# KiCad board berlin.kicad_pcb (continued)
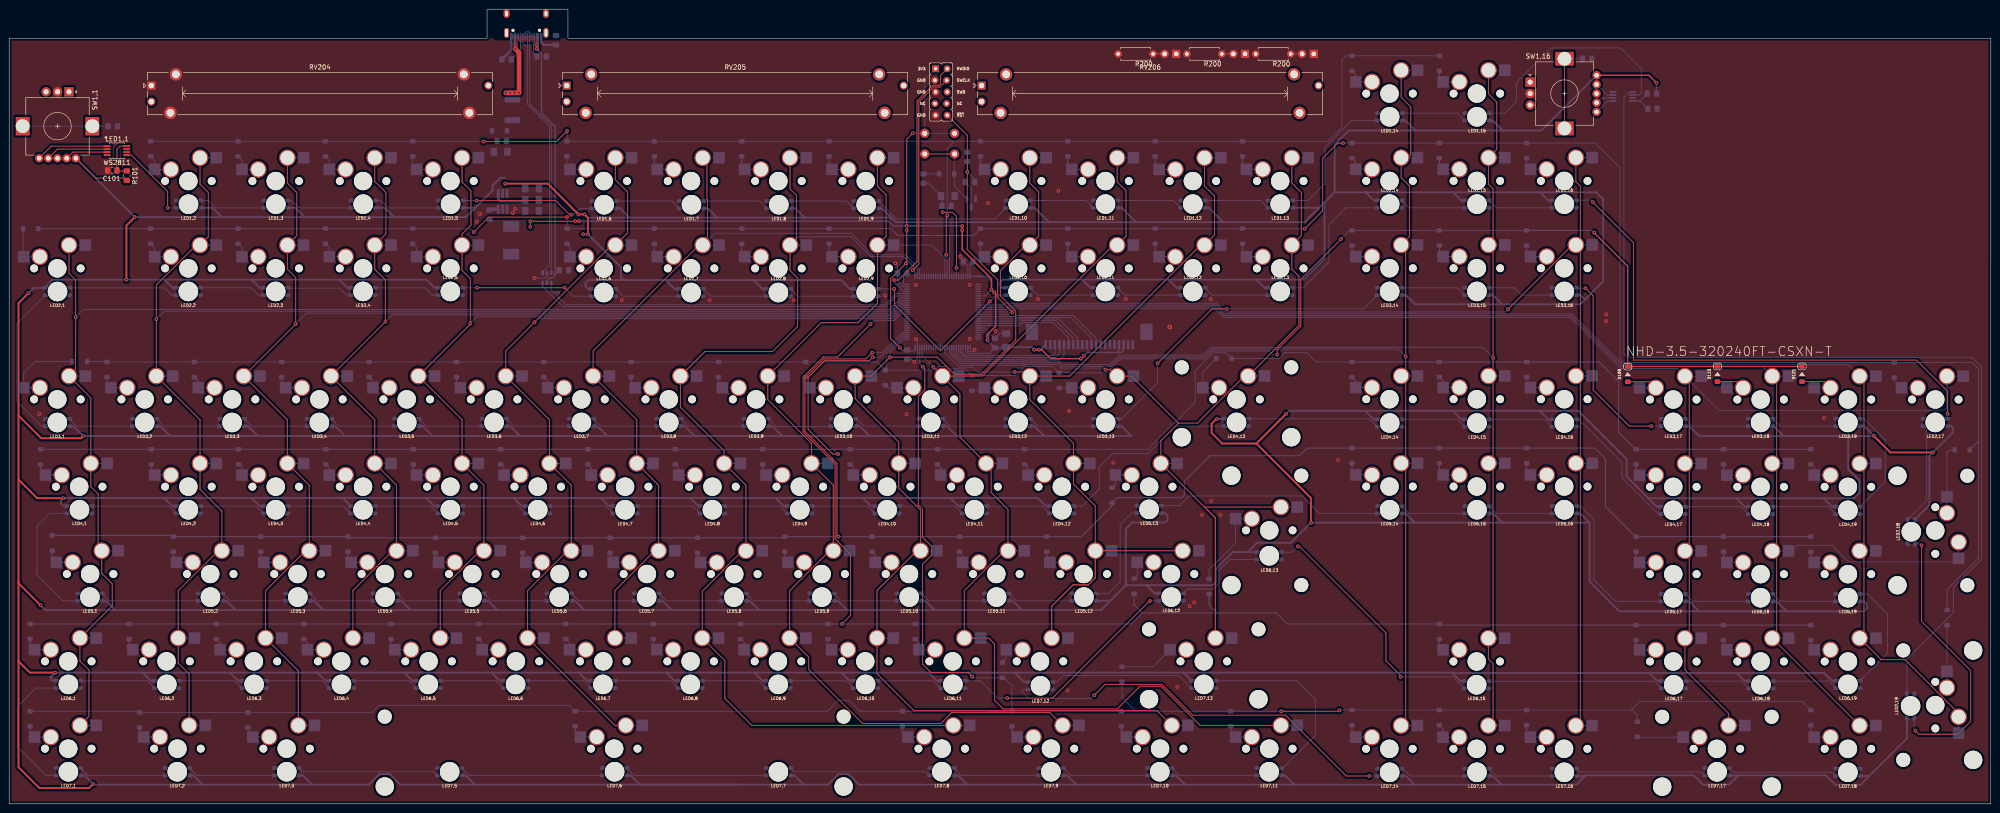
[diagram p0: board, top side]
## Routing (per net, layer and track width the routed paths; a pad name or vN(x,y) marks a point on that pad's centre or on a via; arc(x,y) is an arc through that point) (continued)
GND: length 51.8
  Top w0.2: 249.49,163.59 252,163.59 ; 279.49,163.59 282,163.59 ; 264.49,163.59 267,163.59
  Bottom w0.2: v1(114.55,114.68) 116.84,114.68 117.28,115.12 U701.2 ; v1(193.29,117.92) 193.74,117.47 C709.2 193.74,114.06 194.98,112.81 U501.74 ; U501.99 209.08,117.38 C710.2 208.14,118.63 v1(207.39,119.38) ; C708.2 196.89,96.97 v1(197.42,96.44) 198.08,97.11 U501.49 198.08,101.04 v1(197.71,101.42) ; U501.27 209.08,98.72 209.13,98.67 210.14,98.67 v1(210.57,99.09) ; C706.2 216.04,102.6 C707.2 212.72,103.81 U501.20
  Bottom w0.5: J201.B1 116.03,166.12 116.59,165.55 L702.2 ; J201.A1 109.53,164.45 R706.2
  vias: v1(6.62,85.06) v1(101.98,126.96) v1(102.67,128.65) v1(109.85,128.9) v1(110.37,129.79) v1(133.6,109.86) v1(152.77,109.85) v1(171.09,109.87) v1(191.06,110.88) v1(195.71,84.96) v1(197.71,113.21) v1(209.48,113.21) v1(209.48,101.42) v1(213.49,131.06) v1(215.14,103.12) v1(224.37,110.13) v1(228.85,133.73) v1(230.86,24.72) v1(231.14,85.72) v1(240.79,74.42) v1(243.53,110.14) v1(254.76,25.53) v1(257.47,43.09) v1(258.45,43.94) v1(260.16,63.05) v1(262.09,110.08) v1(262.16,66.05) v1(264.16,63.05) v1(289.81,75.06) v1(348.29,106.77) v1(348.29,105.32) v1(395.86,84.16) v2(253.11,104.01)
VBUS: length 73.5
  Top w1: v1(108.31,155.09) v1(109.27,155.09) v1(110.24,155.09) v1(111.2,155.09) 111.2,163.88 v1(110.41,164.67)
  Bottom w0.2: 110.33,165.66 v1(110.41,165.57) ; 115.21,165.68 115.2,165.68 ; U701.5 117.28,113.79
  Bottom w0.3: 119.08,115.58 119.08,115.27 118.53,114.72 117.89,114.72 117.28,114.11 117.28,113.79 ; 119.08,115.58 119.9,116.41 C714.1 ; 119.08,115.58 119.08,147.75 116.1,150.72 116.1,163.68 v1(115.11,164.68)
  Bottom w0.5: 115.21,165.68 115.21,165.68 115.23,165.69 J201.B4 ; J201.A4 110.33,165.66 ; v1(115.11,165.58) v1(115.11,164.68)
(no net): length 4142.9
  Top w0.2: v1(248.8,44.25) 248.73,44.25 227.54,23.06 217.68,23.06 v1(217.67,23.07) ; LED1,1.3 13.88,142.17 SW1,1.B ; SW201.2 SW201.2 ; LED1,1.1 9.18,143.47 SW1,1.R ; v1(303.48,27.7) 303.48,28.01 300.28,31.21 300.28,37.28 281.39,56.17 v1(281.06,56.17) ; v1(296.62,6.07) 291.62,6.07 278.36,19.34 258.09,19.34 251.37,26.05 239.02,26.05 v1(236.68,23.71) ; v1(250.47,96.09) 262.37,107.99 v1(265.57,107.99) ; v1(122.51,128.52) 122.24,128.52 119.17,131.59 v1(101.97,131.59) ; D109.2 357.79,92.08 359.12,90.74 ; v1(34.57,129.99) 34.57,133.59 26.64,141.52 LED1,1.5 ; LED1,1.2 10.53,142.82 SW1,1.G ; v1(121.14,112.61) 121.13,112.59 v1(102.07,112.59) ; 378.17,90.74 376.81,92.1 D115.2 ; v1(417.1,56.38) 417.1,39.79 427.8,29.09 427.8,17.99 425,15.19 416.52,15.19 v1(415.75,15.96) ; LED1,1.8 24.17,143.47 23.5,142.8 C101.1 23.62,138.06 R101.2 ; SW1,16.MP SW1,16.MP ; 397.22,90.74 395.86,92.1 D121.2 ; v1(213.87,109.59) 203.12,98.84 193.11,108.85 193.11,112.25 v1(193.02,112.34) ; v1(343.81,112.48) 345.47,110.82 345.47,90.29 353.37,82.39 v1(358.17,82.39) ; v1(345.43,131.24) 345.43,131.23 354.27,122.39 354.27,96.79 415.97,96.79 422.77,89.99 v1(422.77,85.09)
  Bottom w0.2: LED3,13.DOUT 242.56,83.98 250.47,91.89 v1(250.47,96.09) ; LED7,16.DOUT 342.56,6.93 369.1,6.93 369.85,6.19 ; LED3,10.DOUT 184.86,84 186.46,82.4 LED3,11.DIN ; 111.47,71.72 SW4,6.2 107.92,73.31 D37.2 ; 182.91,33.62 SW6,10.2 ; LED5,13.DOUT 255.22,65.04 257.35,67.17 281.96,67.17 285.78,63.35 LED5,14.DIN ; SW3,19.2 397.22,90.74 ; LED2,17.DOUT 422.72,85.04 v1(422.77,85.09) ; v1(303.48,27.7) 303.5,27.72 314.85,27.72 317.45,25.12 ; LED6,10.DIN 201.59,26.85 LED6,11.DOUT ; LED6,3.DOUT 49.19,26.85 LED6,2.DIN ; LED3,4.DOUT 71.88,82.4 LED3,5.DIN ; U501.30 207.58,98.77 208.56,97.79 227.72,97.79 228.06,98.13 J203.3/clk ; 92.42,138.4 SW1,5.2 88.01,139.26 88.01,141.22 ; LED5,2.DOUT 48.15,44.3 LED5,3.DIN ; LED7,1.DIN 8.06,6.2 1.87,12.39 1.87,21.29 5.83,25.25 LED6,1.DOUT ; LED7,18.DIN 397.57,6.89 376.03,6.89 LED7,17.DOUT ; LED2,18.DOUT 418.21,66.15 418.21,81.63 LED2,17.DIN ; LED6,9.DOUT 163.49,26.85 LED6,8.DIN ; SW3,11.2 191.65,90.77 D70.2 ; LED4,12.DOUT 225.34,64.95 LED4,11.DIN ; 79.71,112.57 90.74,112.57 92.35,110.95 93.46,110.95 ; LED6,7.DOUT 125.26,26.85 LED6,6.DIN ; LED1,12.DIN 253.91,131.62 LED1,11.DOUT ; LED6,11.DIN 211.77,26.85 215.55,23.07 v1(217.67,23.07) ; LED2,11.DOUT 224.3,110.97 LED2,10.DIN ; LED2,6.DOUT 123.01,110.74 v1(121.14,112.61) ; v1(102.07,112.59) 102.05,112.57 LED2,5.DIN ; U501.16 219.83,105.81 220.15,106.13 231.44,106.13 236.06,101.51 J203.11/spi2 ; LED4,6.DIN 130.09,64.95 LED4,7.DOUT ; LED3,14.DIN 295.45,107.99 v1(265.57,107.99) ; LED2,8.DOUT 152.96,110.74 LED2,7.DIN ; LED4,10.DIN 206.29,64.95 LED4,11.DOUT ; LED7,8.DIN 199.98,6.99 171.21,6.99 LED7,7.DOUT ; LED1,9.DOUT 193.46,127.59 214.98,127.59 LED1,10.DIN ; D46.2 122.21,35.15 SW6,7.2 125.76,33.62 ; v1(213.87,109.59) 215.25,110.97 LED2,10.DOUT ; 365.65,26.77 377.83,26.77 LED6,18.DOUT ; LED7,15.DIN 305.62,6.07 304.02,7.67 LED7,14.DOUT ; 249.59,52.67 SW6,12.2 246.03,49.81 D80.2 ; 92.42,71.72 SW4,5.2 ; 35.27,138.4 SW1,2.2 31.72,140.37 30.86,141.22 ; LED7,9.DOUT 229.86,7.8 231.46,6.2 LED7,10.DIN ; LED1,4.DIN 63.15,130.01 61.55,131.61 LED1,3.DOUT ; LED4,15.DOUT 315.89,83.87 LED4,14.DIN ; LED1,12.DOUT 272.96,131.62 LED1,13.DIN ; LED2,13.DOUT 262.4,110.97 LED2,12.DIN ; LED5,8.DIN 143.27,44.3 LED5,7.DOUT ; LED7,5.DIN 92.62,6.99 63.99,6.99 LED7,3.DOUT ; v1(122.51,128.52) 123.11,128.52 124.48,129.9 LED1,6.DIN ; 121,90.77 SW3,7.2 117.44,92.23 D43.2 ; J203.5/spi0 230.06,97.78 229.29,97.01 220.86,97.01 220.73,96.88 208.28,96.88 206.58,98.58 U501.32 ; LED4,14.DOUT 296.71,84 LED4,13.DIN ; 413.9,24.13 413.9,31.6 424.02,41.72 424.02,47.21 430.14,53.33 430.14,95.31 428.04,97.41 352.93,97.41 352.18,98.16 352.18,154.15 353.31,155.28 LED1,16.5 ; 229.03,90.77 SW3,13.2 235.3,90.77 ; J203.6/cs 231.06,101.66 227.7,105.01 221.16,105.01 220.46,104.32 U501.19 ; LED2,8.DIN 172.01,110.74 LED2,9.DOUT ; 201.96,33.62 SW6,11.2 198.41,35.15 D73.2 ; LED3,2.DOUT 33.8,82.38 LED3,3.DIN ; LED5,11.DIN 200.55,44.3 LED5,10.DOUT ; LED1,7.DIN 144.56,131.5 LED1,6.DOUT ; LED3,8.DIN 129.05,82.4 LED3,7.DOUT ; 297.24,138.43 SW2,14.2 293.69,140.02 D90.2 ; 44.8,90.77 SW3,3.2 41.24,92.23 D17.2 ; LED1,16.1 348.6,153.33 SW1,16.R ; LED6,19.DOUT 396.87,26.77 LED6,18.DIN ; LED2,4.DOUT 73.58,110.97 72.07,112.49 60.85,112.49 LED2,3.DIN ; 316.26,33.59 SW6,15.2 ; LED6,8.DOUT 144.31,26.85 LED6,7.DIN ; LED5,15.DOUT 324.37,63.35 LED5,16.DIN ; 73.37,138.4 SW1,4.2 69.82,140.37 68.96,141.22 ; D35.2 122.3,121.54 SW2,6.2 125.86,119.35 ; LED3,5.DOUT 90.95,82.4 LED3,6.DIN ; D27.2 65.06,35.15 SW6,4.2 68.61,33.62 ; LED7,3.DIN 40.91,6.2 LED7,2.DOUT ; v1(358.17,82.39) 360.28,82.39 LED3,17.DIN ; D34.2 121.67,139.03 SW1,6.2 125.86,138.4 ; LED1,15.DIN 315.89,150.67 LED1,14.DOUT ; LED5,1.DOUT 21.86,44.3 LED5,2.DIN ; LED5,1.DIN 11.66,44.3 6.07,49.89 6.07,60.59 8.83,63.35 LED4,1.DOUT ; LED7,12.DOUT 221.24,24.95 220.83,24.54 222.41,22.97 235.94,22.97 v1(236.68,23.71) ; D71.2 203.17,73.31 SW4,11.2 206.72,71.72 ; J203.12/spi3 237.06,101.54 232.06,106.54 219.87,106.54 219.64,106.31 U501.15 ; LED4,9.DIN 187.24,64.95 LED4,10.DOUT ; LED7,5.DOUT 100.3,6.2 LED7,6.DIN ; LED5,4.DOUT 86.25,44.3 LED5,5.DIN ; LED4,17.DIN 377.74,64.82 LED4,18.DOUT ; 335.34,138.43 SW2,16.2 ; 49.91,141.22 50.77,140.37 SW1,3.2 54.32,138.4 ; 97.19,52.67 SW5,5.2 ; D23.2 69.82,121.32 SW2,4.2 73.37,119.35 ; LED6,12.DOUT 248.85,44.3 v1(248.8,44.25) ; LED2,15.DIN 324.37,130.02 LED2,16.DOUT ; LED7,2.DIN 17.16,6.2 16.66,6.7 16.66,6.7 LED7,1.DOUT ; U501.17 219.93,105.32 220.41,105.79 228.9,105.79 233.06,101.63 J203.8/PD ; LED5,9.DOUT 181.5,44.3 LED5,10.DIN ; 322.77,26.72 358.83,26.72 LED6,17.DOUT ; SW201.2 206.12,141.69 D703.2 206.12,134.8 208.85,132.06 ; LED5,6.DOUT 124.22,44.3 LED5,7.DIN ; LED6,13.DIN 277.5,54.89 279.78,54.89 v1(281.06,56.17) ; LED7,10.DOUT 255.19,6.2 LED7,11.DIN ; LED4,17.DOUT 359.73,63.22 351.76,71.2 351.76,74.44 342.32,83.87 LED4,16.DIN ; LED5,4.DIN 67.2,44.3 66.7,44.8 66.7,44.8 LED5,3.DOUT ; 297.24,71.75 SW5,14.2 ; SW7,13.2 249.46,29.91 D88.2 ; LED3,1.DOUT 14.75,82.38 LED3,2.DIN ; LED5,16.DOUT 342.73,64.95 345.63,62.05 345.63,48.88 350.33,44.17 LED5,17.DIN ; LED6,6.DOUT 106.21,26.85 LED6,5.DIN ; 199.39,137.42 202.81,137.42 D703.1 ; 130.52,71.72 SW4,7.2 126.97,73.31 D44.2 ; LED3,10.DIN 179.2,82.29 167.25,82.29 LED3,9.DOUT ; LED5,6.DIN 105.17,44.3 LED5,5.DOUT ; LED4,15.DIN 334.94,83.87 LED4,16.DOUT ; LED1,16.2 347.25,153.98 SW1,16.G ; LED4,18.DIN 396.79,64.82 LED4,19.DOUT ; LED4,13.DOUT 254.38,82.4 248.3,76.33 248.24,76.39 240.63,76.39 237.74,73.51 237.74,68.71 233.99,64.95 LED4,12.DIN ; 209.8,130.06 209.8,134.36 R703.2 ; LED2,3.DOUT 54.38,110.97 52.77,112.59 41.74,112.59 LED2,2.DIN ; LED2,13.DIN 282.17,112.57 287.87,118.27 287.87,126.39 291.5,130.02 LED2,14.DOUT ; v1(345.43,131.24) 344.98,131.69 341.89,131.69 LED2,16.DIN ; LED7,11.DOUT 277.77,7.8 284.88,14.91 284.88,22.82 280.85,26.85 LED7,13.DIN ; J203.7/INT 232.06,101.63 228.28,105.41 220.8,105.41 220.2,104.81 U501.18 ; LED4,4.DOUT 72.94,64.95 LED4,3.DIN ; 244.82,71.72 SW5,13.2 241.27,69.69 D86.2 ; D52.2 140.46,35.05 141.26,34.26 SW6,8.2 144.81,33.62 ; 183.01,138.4 SW1,9.2 ; J203.4/spi1 229.06,98.27 228.18,97.39 208.47,97.39 207.08,98.77 U501.31 ; v1(343.81,112.48) 341.92,112.48 LED3,16.DOUT ; v1(417.1,56.38) 416.76,56.72 LED2,18.DIN ; LED1,2.DIN 34.59,130.01 v1(34.57,129.99) ; D40.2 123.44,15.72 124.59,14.57 128.14,14.57 ; LED5,17.DOUT 367.17,44.17 LED5,18.DIN ; SW1,16.B 348.52,154.63 LED1,16.3 ; LED4,5.DOUT 91.99,64.95 LED4,4.DIN ; LED1,5.DOUT 101.95,131.61 v1(101.97,131.59) ; D9.2 31.72,121.32 SW2,2.2 35.27,119.35 ; D64.2 184.12,73.31 SW4,10.2 187.67,71.72 ; v1(415.75,15.96) 415.5,16.21 415.5,18.64 ; LED5,11.DOUT 219.6,44.3 LED5,12.DIN ; D98.2 312.74,92.27 SW4,15.2 316.29,90.8 ; LED5,19.DIN 386.22,44.17 LED5,18.DOUT ; 163.86,33.62 SW6,9.2 160.31,35.15 D59.2 ; 378.17,90.74 SW3,18.2 ; LED7,8.DOUT 206.06,7.8 207.66,6.2 LED7,9.DIN ; 54.32,119.35 SW2,3.2 50.77,121.32 D16.2 ; LED3,1.DIN 7.05,82.38 1.67,87.77 1.67,104.73 LED2,1.DOUT ; LED4,6.DOUT 111.04,64.95 LED4,5.DIN ; LED4,7.DIN 149.14,64.95 LED4,8.DOUT ; 254.35,138.4 SW1,12.2 ; LED5,8.DOUT 162.32,44.3 LED5,9.DIN ; LED4,3.DOUT 53.89,64.95 LED4,2.DIN ; 54.32,71.72 SW4,3.2 50.77,73.69 50.42,74.04 D18.2 ; LED4,2.DOUT 34.84,64.95 LED4,1.DIN ; LED1,11.DIN 234.86,131.62 LED1,10.DOUT ; 422.62,25.34 SW2,19.2 422.62,38.96 D120.2 ; LED6,13.DOUT 266.23,53.32 263.84,50.92 263.84,48.06 262.64,46.86 257.06,46.86 LED6,12.DIN ; LED5,19.DOUT 405.28,45.77 409.67,41.39 409.67,32.85 LED6,19.DIN ; 101.95,90.77 SW3,6.2 ; 30.51,33.62 SW6,2.2 ; 297.24,157.48 SW1,14.2 293.69,159.07 D89.2 ; SW1,16.MP 343.12,162.54 L2.2 ; LED3,18.DOUT 386.22,82.4 LED3,19.DIN ; LED2,12.DOUT 243.35,110.97 LED2,11.DIN ; LED7,7.DIN 136.29,6.19 LED7,6.DOUT ; 216.66,31.11 217.46,31.91 SW7,12.2 221.01,33.62 ; SW3,12.2 212.07,90.15 D77.2 ; LED4,9.DOUT 168.19,64.95 LED4,8.DIN ; LED7,15.DOUT 324.37,6.07 LED7,16.DIN ; LED1,3.DIN 45.05,130.01 44.55,130.51 44.55,130.51 43.45,131.61 LED1,2.DOUT ; 271.02,62.2 SW6,13.2 267.46,56.86 261.71,51.1 261.71,49.06 ; LED3,6.DOUT 110,82.4 LED3,7.DIN ; D20.2 46.01,35.15 SW6,3.2 49.56,33.62 ; 263.29,97.16 260.32,94.19 SW4,13.2 263.87,90.77 ; LED6,4.DOUT 68.24,26.85 LED6,3.DIN ; D124.2 392.94,34.8 393.67,34.07 SW6,19.2 397.22,33.59 ; LED3,13.DIN 224.31,82.38 LED3,12.DOUT ; D122.2 393.67,73.31 SW4,19.2 397.22,71.69 ; LED3,19.DOUT 404.57,84 409.17,79.4 409.17,70.32 LED4,19.DIN ; D108.2 411.12,92.34 SW2,17.2 416.27,90.74 ; LED6,4.DIN 87.16,26.85 LED6,5.DOUT ; 92.42,119.35 88.87,119.35 88.87,121.32 D29.2 ; SW1,1.MP SW1,1.MP 21.58,147.83 L1.2 ; LED3,11.DOUT 205.25,82.4 LED3,12.DIN ; LED1,15.DOUT 326.25,150.67 328.77,153.19 328.77,157.39 336.27,164.89 351.47,164.89 355.97,160.39 355.97,155.09 355.51,154.63 LED1,16.6 ; LED3,8.DOUT 148.1,82.4 LED3,9.DIN ; D114.2 423.16,77.22 422.62,76.68 SW2,18.2 422.62,63.44 ; 368.65,14.54 SW7,17.2 355.16,14.54 D113.2 ; 6.7,119.35 SW2,1.2 3.05,119.44 D2.2 ; LED2,6.DIN 133.91,110.74 LED2,7.DOUT ; D25.2 69.82,73.31 SW4,4.2 73.37,71.72 ; LED1,9.DIN 182.66,131.5 LED1,8.DOUT ; D50.2 146.02,73.31 SW4,8.2 149.57,71.72 ; LED3,14.DOUT 315.89,112.57 LED3,15.DIN ; 378.17,71.69 SW4,18.2 ; LED6,10.DOUT 182.54,26.85 LED6,9.DIN ; LED5,14.DOUT 305.32,63.35 LED5,15.DIN ; 297.24,90.8 SW4,14.2 293.69,92.27 D92.2 ; 316.26,14.54 SW7,15.2 312.71,16.35 D101.2 ; 159.1,90.77 SW3,9.2 ; LED5,13.DIN 244.82,63.44 242.3,60.92 242.3,48.46 239.74,45.9 LED5,12.DOUT ; v1(193.02,112.34) LED2,9.DIN ; LED2,2.DOUT 35.51,110.97 33.93,112.56 LED2,1.DIN ; D65.2 188.88,54.33 SW5,10.2 192.44,52.67 ; LED2,14.DIN 305.32,130.02 LED2,15.DOUT ; LED7,14.DIN v1(296.62,6.07) ; LED1,4.DOUT 81.05,131.61 82.67,129.99 93.6,129.99 LED1,5.DIN ; SW2,11.2 235.3,119.35 ; R102.2 355.63,153.33 LED1,16.8 355.68,153.33 C102.1 ; 3.17,90.59 3.17,93.97 5.68,96.49 D3.2 ; LED1,7.DOUT 163.61,131.5 LED1,8.DIN ; 11.46,71.72 SW4,1.2 ; 163.96,138.4 SW1,8.2 ; 106.71,33.62 SW6,6.2 103.16,35.15 D39.2 ; 82.9,90.77 SW3,5.2 79.34,92.23 D30.2 ; LED3,17.DOUT 367.17,82.4 LED3,18.DIN ; LED6,1.DIN 30.14,26.85 LED6,2.DOUT ; D78.2 222.22,73.31 SW4,12.2 225.77,71.72 ; LED3,15.DOUT 328.25,112.57 329.85,110.97 LED3,16.DIN ; LED7,13.DOUT 257.79,25.25 255.05,27.99 229.9,27.99 228.46,26.55 LED7,12.DIN ; 211.49,52.67 SW5,11.2 207.93,54.33 D72.2 ; 9.08,33.62 SW6,1.2 ; 397.22,52.64 SW5,19.2 ; 173.39,52.67 SW5,9.2 ; LED3,3.DOUT 52.85,82.38 LED3,4.DIN ; LED1,13.DOUT 283.3,131.62 286.97,135.29 286.97,143.19 292.85,149.07 LED1,14.DIN ; 335.34,90.8 SW4,16.2
  Bottom w0.25: D14.2 28.45,15.46 SW7,2.2 32.89,14.57 ; SW5,19.2 392.94,53.37 D123.2 ; D60.2 218.69,15.72 SW7,9.2 223.39,14.57 ; 87.66,33.62 SW6,5.2 83.31,34.42 D33.2 ; 397.22,14.54 SW7,18.2 392.94,15.27 D119.2 ; SW4,18.2 373.89,72.42 D116.2 ; 35.27,71.72 SW4,2.2 30.99,72.45 D11.2 ; 316.29,71.75 SW5,15.2 311.91,72.58 D99.2 ; D94.2 292.86,15.34 SW7,14.2 297.21,14.54 ; 297.24,119.38 SW3,14.2 292.86,120.21 D91.2 ; D10.2 21.34,91.63 SW3,2.2 25.75,90.77 ; 247.21,14.57 SW7,10.2 242.57,15.65 D67.2 ; 183.01,119.35 SW2,9.2 178.82,119.98 D55.2 ; D62.2 211.84,120.21 SW2,10.2 216.25,119.35 ; 116.24,52.67 SW5,6.2 112.01,53.34 D38.2 ; 154.34,52.67 150.78,52.67 150.11,53.34 D51.2 ; SW2,16.2 330.96,139.26 D103.2 ; 144.91,138.4 SW1,7.2 140.72,139.03 140.72,141.22 ; 359.12,33.59 SW6,17.2 354.84,34.32 D112.2 ; D97.2 311.91,120.21 SW3,15.2 316.29,119.38 ; D7.2 4.57,15.53 SW7,1.2 9.08,14.57 ; D48.2 159.77,119.98 SW2,8.2 163.96,119.35 ; D69.2 230.89,120.21 SW2,11.2 ; D106.2 330.96,72.58 SW5,16.2 335.34,71.75 ; D110.2 354.84,72.42 SW4,17.2 359.12,71.69 ; 235.3,138.4 SW1,11.2 230.89,139.26 230.89,141.22 ; D5.2 9.4,53.56 SW5,1.2 13.84,52.67 ; SW1,12.2 249.94,139.26 249.94,141.22 ; 40.04,52.67 SW5,2.2 35.81,53.34 D12.2 ; D105.2 330.96,91.63 SW4,16.2 ; 230.54,52.67 SW5,12.2 226.31,53.34 D79.2 ; SW1,9.2 178.82,139.03 178.82,141.22 ; D66.2 178.56,34.42 SW6,10.2 ; SW3,6.2 97.54,91.63 D36.2 ; D83.2 268.99,120.21 SW2,13.2 273.4,119.35 ; SW1,8.2 159.77,139.03 159.77,141.22 ; D95.2 311.91,158.31 SW1,15.2 316.29,157.48 ; D93.2 292.86,72.58 SW5,14.2 ; 199.58,14.57 SW7,8.2 194.82,15.78 D53.2 ; D42.2 140.72,119.98 SW2,7.2 144.91,119.35 ; D76.2 249.94,120.21 SW2,12.2 254.35,119.35 ; SW5,5.2 92.96,53.34 D32.2 ; D107.2 330.96,15.34 SW7,16.2 335.31,14.54 ; D21.2 52.07,15.65 SW7,3.2 56.71,14.57 ; 3.17,90.59 3.14,90.61 SW3,1.2 6.7,90.77 ; D57.2 164.34,72.45 SW4,9.2 168.62,71.72 ; 211.84,141.22 211.84,139.26 SW1,10.2 216.25,138.4 ; 359.12,52.64 SW5,17.2 354.84,53.37 D111.2 ; SW6,15.2 311.91,34.39 D100.2 ; SW4,5.2 88.14,72.45 D31.2 ; SW3,12.2 216.25,90.77 ; SW6,2.2 26.16,34.42 D13.2 ; D74.2 266.45,15.59 SW7,11.2 271.02,14.57 ; 316.29,138.43 SW2,15.2 311.91,139.26 D96.2 ; D104.2 330.96,120.21 SW3,16.2 335.34,119.38 ; D118.2 373.89,34.32 SW6,18.2 378.17,33.59 ; 63.85,90.77 SW3,4.2 59.44,91.63 D24.2 ; D56.2 154.69,91.63 SW3,9.2 ; D58.2 169.16,53.34 SW5,9.2 ; SW3,11.2 197.2,90.77 ; D4.2 6.86,72.77 SW4,1.2 ; 78.14,52.67 SW5,4.2 73.91,53.34 D26.2 ; SW6,1.2 4.57,34.58 D6.2 ; 268.99,141.22 268.99,139.26 SW1,13.2 273.4,138.4 ; D117.2 373.89,53.37 SW5,18.2 378.17,52.64 ; 135.29,52.67 SW5,7.2 131.06,53.34 D45.2 ; 178.15,90.77 SW3,10.2 173.74,91.63 D63.2 ; 59.09,52.67 SW5,3.2 54.86,53.34 D19.2 ; D49.2 135.64,91.63 SW3,8.2 140.05,90.77 ; SW3,17.2 359.12,90.74
BOOT0: length 25.2
  Top w0.2: v1(206.61,116.89) 206.61,128.17 205.74,129.03 v1(203.58,129.03)
  Bottom w0.2: v1(203.58,129.03) 203.49,129.12 203.49,132.33 200.45,135.37 R711.1 ; U501.94 206.58,116.86 v1(206.61,116.89)
BST: length 2
  Bottom w0.6: 104.77,129.4 105.09,129.71
  Bottom w0.7: 105.09,129.71 U702.6
CC1: length 6.4
  Bottom w0.2: J201.A5 111.53,164.4 R706.1
CC2: length 5.3
  Bottom w0.2: R705.2 114.36,163.76 114.36,165.83 114.53,166 J201.B5
Col1: length 318.8
  Top w0.2: 15.43,17.11 17.4,19.08 17.4,29.21 15.43,31.18 15.43,36.16 22.48,43.21 22.48,48.01 20.19,50.29 20.19,55.21 19.4,56.01 19.4,67.59 17.81,69.18 17.81,88.55 13.05,93.31 14.48,94.74 v1(14.5,106.18) 14.48,114.3 13.05,115.73 13.05,121.89
  Bottom w0.2: SW6,1.1 15.43,36.16 ; v1(14.5,106.18) 16.17,107.85 191.99,107.85 194.46,110.31 U501.69 ; 20.19,55.21 SW5,1.1 ; 13.05,93.31 SW3,1.1 ; 15.43,17.11 SW7,1.1 ; SW4,1.1 17.81,74.26 ; 13.05,121.89 SW2,1.1
Col2: length 331.4
  Top w0.2: 41.62,140.94 41.62,135.16 43.43,133.35 43.43,123.7 41.62,121.89 40.79,121.89 32.1,113.2 v1(32.1,105.72) 32.1,93.31 41.62,83.79 41.62,68.61 46.39,63.85 46.39,55.21 45.59,55.21 36.86,46.48 36.86,30.7 39.24,28.32 39.24,17.11
  Bottom w0.2: 41.62,140.94 SW1,2.1 ; 36.86,36.16 SW6,2.1 ; 39.24,17.11 SW7,2.1 ; 32.1,93.31 SW3,2.1 ; 41.62,74.26 SW4,2.1 ; v1(32.1,105.72) 33.82,107.45 192.16,107.45 194.52,109.81 U501.68 ; 46.39,55.21 SW5,2.1 ; 41.62,121.89 SW2,2.1
Col3: length 304.4
  Top w0.2: 60.67,140.94 60.67,135.41 62.74,133.35 62.74,123.95 60.67,121.89 60.67,116.62 62.48,114.81 v1(62.48,104.69) 62.48,104.65 51.15,93.31 60.67,83.79 60.67,74.26 65.44,69.5 65.44,55.21 64.64,55.21 55.91,46.49 55.91,36.16 63.06,29.02 63.06,17.11
  Bottom w0.2: SW6,3.1 55.91,36.16 ; 60.67,121.89 SW2,3.1 ; SW5,3.1 65.44,55.21 ; U501.67 194.59,109.32 192.32,107.05 64.84,107.05 v1(62.48,104.69) ; 60.67,140.94 SW1,3.1 ; SW3,3.1 51.15,93.31 ; 63.06,17.11 SW7,3.1 ; SW4,3.1 60.67,74.26
Col4: length 259.7
  Top w0.2: 74.96,36.16 74.96,46.52 78.07,49.63 78.07,49.65 79,50.57 79.01,50.57 80.24,51.8 80.24,51.81 83.64,55.21 84.49,55.21 84.49,69.5 79.72,74.26 79.72,83.79 70.2,93.31 82.04,105.16 82.04,105.17 v1(82.07,105.19) 82.04,105.21 82.04,114.3 79.72,116.62 79.72,121.89 82.17,124.33 82.17,133.35 79.72,135.79 79.72,140.94
  Bottom w0.2: SW6,4.1 74.96,36.16 ; SW4,4.1 79.72,74.26 ; 84.49,55.21 SW5,4.1 ; 79.72,121.89 SW2,4.1 ; 70.2,93.31 SW3,4.1 ; 79.72,140.94 SW1,4.1 ; U501.66 194.65,108.81 192.49,106.65 83.53,106.65 v1(82.07,105.19)
Col5: length 240.3
  Top w0.2: 98.77,140.94 98.77,135.67 100.71,133.73 100.71,126.24 98.77,124.3 98.77,116.36 100.58,114.55 v1(100.58,104.79) 100.58,104.65 89.25,93.31 98.77,83.79 98.77,74.26 103.54,69.5 103.54,55.21 102.59,55.21 102.59,55.1 94.01,46.52 94.01,36.16
  Bottom w0.2: 103.54,55.21 SW5,5.1 ; SW4,5.1 98.77,74.26 ; SW3,5.1 89.25,93.31 ; U501.65 194.72,108.32 192.65,106.25 102.04,106.25 v1(100.58,104.79) ; 94.01,36.16 SW6,5.1 ; 98.77,121.89 102.33,121.89 ; 98.77,140.94 SW1,5.1
Col6: length 264.4
  Top w0.2: 134.49,17.11 132.11,17.11 113.06,36.16 113.06,46.52 121.69,55.15 121.69,55.21 122.59,55.21 122.59,69.5 117.82,74.26 117.82,83.79 108.3,93.31 108.3,98.77 v1(114.58,105.05) 131.41,121.89 132.21,121.89 134.87,124.56 134.87,133.48 132.21,136.14 132.21,140.94
  Bottom w0.2: 122.59,55.21 SW5,6.1 ; 132.21,140.94 SW1,6.1 ; v1(114.58,105.05) 115.38,105.85 192.85,105.85 194.82,107.81 U501.64 ; SW3,6.1 108.3,93.31 ; SW4,6.1 117.82,74.26 ; 132.21,121.89 SW2,6.1 ; SW6,6.1 113.06,36.16 ; 134.49,17.11 SW7,6.1
Col7: length 200.9
  Top w0.2: 151.26,140.94 152.19,140.01 152.19,131.91 152.3,131.8 152.3,122.93 151.26,121.89 150.46,121.89 127.35,98.77 127.35,93.31 136.87,83.79 136.87,74.26 141.35,69.79 141.35,69.72 141.64,69.44 141.64,55.21 140.81,55.21 132.11,46.51 132.11,36.16
  Bottom w0.2: SW6,7.1 132.11,36.16 ; U501.78 198.58,116.63 195.42,119.79 190.23,119.79 190.23,119.79 188.31,119.79 183.64,124.46 153.83,124.46 151.26,121.89 SW2,7.1 ; 151.26,140.94 SW1,7.1 ; SW4,7.1 136.87,74.26 ; SW5,7.1 141.64,55.21 ; SW3,7.1 127.35,93.31
Col8: length 261.4
  Top w0.2: 205.93,17.11 161.96,17.11 156.08,22.99 156.08,31.24 151.16,36.16 151.16,46.39 155.79,51.02 155.79,51.09 159.92,55.21 160.69,55.21 160.69,69.5 155.92,74.26 155.92,76.99 146.4,86.52 146.4,93.31 151.76,98.68 166.5,98.68 171.96,104.14 171.96,114.68 170.31,116.33 170.31,121.89 171.7,123.29 171.7,132.75 170.31,134.15 170.31,140.94
  Bottom w0.2: 146.4,93.31 SW3,8.1 ; 170.31,140.94 SW1,8.1 ; SW7,8.1 205.93,17.11 ; SW6,8.1 151.16,36.16 ; SW2,8.1 170.31,121.89 172.12,123.7 183.64,123.7 187.95,119.39 190.39,119.39 190.39,119.39 195.06,119.39 198.08,116.37 U501.77 ; SW4,8.1 155.92,74.26 ; 164.24,55.21 160.69,55.21
Col9: length 243.6
  Top w0.2: 189.36,140.94 189.36,134.75 191.26,132.84 191.26,123.79 189.36,121.89 189.39,121.85 189.39,109.22 185.13,104.95 177.09,104.95 165.45,93.31 165.45,88.17 174.97,78.64 174.97,74.26 174.99,74.26 179.74,69.51 179.74,55.21 178.94,55.21 170.21,46.49 170.21,36.16 174.37,32 174.37,29.29 186.15,17.51 203.19,17.51 205.6,19.92 226.94,19.92 229.74,17.11
  Bottom w0.2: SW3,9.1 165.45,93.31 ; 174.97,74.26 SW4,9.1 ; SW6,9.1 170.21,36.16 ; 229.74,17.11 SW7,9.1 ; SW5,9.1 179.74,55.21 ; 189.36,121.89 SW2,9.1 201.27,121.89 204.08,119.08 U501.89 ; 189.36,140.94 SW1,9.1
Col10: length 262.4
  Top w0.2: 253.56,17.11 250.35,20.32 197.36,20.32 189.26,28.42 189.26,46.52 197.94,55.2 197.94,55.21 198.79,55.21 198.79,64.1 194.02,68.87 194.02,78.9 184.5,88.42 184.5,93.31 187.98,93.31 192.05,97.38 v1(192.09,97.38) 192.15,97.45 202.41,97.45 206.14,93.72 212.08,93.72 219.53,101.17 219.53,107.5 216.18,110.84 216.18,116.31 221.76,121.89 222.6,121.89 224.54,123.82 224.54,133.48 222.6,135.41 222.6,140.94
  Bottom w0.2: 253.56,17.11 SW7,10.1 ; U501.51 195,101.31 192.09,98.4 v1(192.09,97.38) ; 222.6,121.89 SW2,10.1 ; SW5,10.1 198.79,55.21 ; SW4,10.1 194.02,74.26 ; 184.5,93.31 SW3,10.1 ; 222.6,140.94 SW1,10.1 ; SW6,10.1 189.26,36.16
Col11: length 259.3
  Top w0.2: 203.55,93.31 203.56,93.32 212.24,93.32 240.81,121.89 241.65,121.89 243.59,123.82 243.59,133.73 241.65,135.67 241.65,140.94 ; 203.55,93.31 201.57,95.3 v1(201.57,95.31) ; 203.55,93.31 203.55,93.25 207.37,89.43 207.37,79.97 214.17,73.17 214.17,67.9 217.84,64.23 217.84,55.21 217.02,55.21 208.31,46.51 208.31,36.16 213.63,36.16 214.92,34.88 214.92,22.57 216.77,20.72 241.7,20.72 246.63,25.65 251.21,25.65 259.75,17.11 277.37,17.11
  Bottom w0.2: 277.37,17.11 SW7,11.1 ; 203.55,93.31 SW3,11.1 ; 241.65,121.89 SW2,11.1 ; SW6,11.1 208.31,36.16 ; 241.65,140.94 SW1,11.1 ; SW4,11.1 213.07,74.26 ; SW5,11.1 217.84,55.21 ; U501.47 199.08,97.8 v1(201.57,95.31)
Col12: length 202.1
  Top w0.2: 222.6,93.31 222.6,88.17 232.12,78.64 232.12,69.75 236.89,64.99 236.89,55.21 255.94,55.21 ; 222.6,93.31 231.29,93.31 259.56,121.59 259.56,121.89 260.7,121.89 262.89,124.08 262.89,132.59 260.7,134.78 260.7,140.94 ; 222.6,93.31 221.72,94.2 219.29,94.2 v1(219.28,94.21)
  Top w0.25: 227.36,36.16 227.36,43.09 232.04,47.76 235.33,47.76 236.89,49.32 236.89,55.21
  Bottom w0.2: 222.6,93.31 SW3,12.1 ; 232.12,74.26 SW4,12.1 ; 260.7,140.94 SW1,12.1 ; 236.89,55.21 SW5,12.1 ; v1(219.28,94.21) 211.25,94.21 210.18,95.28 207.15,95.28 204.08,98.36 U501.37 ; 260.7,121.89 SW2,12.1 ; 255.94,55.21 SW6,12.1
Col13: length 223.1
  Top w0.2: 279.75,140.94 279.75,135.41 281.81,133.35 281.81,123.95 279.75,121.89 279.75,116.62 281.31,115.06 281.31,104.39 270.22,93.31 269.39,93.31 259.13,83.06 255.02,83.06 ; 255.02,83.06 244.76,93.31 241.65,93.31 240.23,94.73 v1(239.09,94.73) ; 255.02,83.06 251.17,79.22 251.17,74.26 260.7,64.74 277.37,64.74
  Top w0.25: 263.08,36.16 263.08,62.36 260.7,64.74
  Bottom w0.2: SW3,13.1 241.65,93.31 ; 279.75,140.94 SW1,13.1 ; 277.37,64.74 SW6,13.1 ; 279.75,121.89 SW2,13.1 ; 270.22,93.31 SW4,13.1 ; 251.17,74.26 SW5,13.1 ; v1(239.09,94.73) 238.77,95.05 229.39,95.05 228.63,95.81 221.36,95.81 221.23,95.68 207.67,95.68 205.08,98.27 U501.35
Col14: length 274.6
  Top w0.2: 303.56,17.08 304.58,18.1 304.58,73.31 303.59,74.29 304.58,75.28 304.58,92.36 303.59,93.34 304.58,94.33 304.58,97.58 v1(304.57,97.59) 304.58,97.6 304.58,120.93 303.59,121.92 305.39,123.72 305.39,134.79 303.59,136.59 303.59,140.97 305.05,140.97 305.69,141.6 305.69,152.02 303.59,154.11 303.59,160.02
  Bottom w0.2: 303.56,17.08 SW7,14.1 ; U501.34 205.58,98.34 207.84,96.08 221.06,96.08 221.19,96.21 228.8,96.21 229.56,95.45 240.26,95.45 242.3,97.5 260.54,97.5 262.24,99.19 302.97,99.19 v1(304.57,97.59) ; 303.59,121.92 SW3,14.1 ; SW4,14.1 303.59,93.34 ; SW1,14.1 303.59,160.02 ; 307.15,74.29 303.59,74.29 ; 307.24,140.89 303.69,140.89
Col15: length 293.1
  Top w0.2: 322.61,17.08 323.63,18.1 323.63,30.57 322.61,31.59 322.61,36.13 323.63,37.15 323.63,73.31 ; 322.64,160.02 322.64,154.88 324.44,153.08 324.44,142.77 322.64,140.97 322.64,135.19 323.63,134.21 323.63,122.91 322.64,121.92 323.63,120.93 323.63,97.33 v1(323.67,97.29) 323.63,97.25 323.63,94.33 322.64,93.34 323.63,92.36 323.63,75.28
  Bottom w0.2: 322.64,140.97 SW2,15.1 ; SW4,15.1 322.64,93.34 ; v1(323.67,97.29) 321.37,99.59 262.07,99.59 260.38,97.89 242.13,97.89 240.09,95.85 229.72,95.85 228.96,96.61 221.03,96.61 220.9,96.48 208,96.48 206.08,98.4 U501.33 ; 322.61,36.13 SW6,15.1 ; 322.64,74.29 326.2,74.29 ; SW7,15.1 322.61,17.08 ; 322.64,160.02 SW1,15.1 ; 322.64,121.92 SW3,15.1
Col16: length 283.1
  Top w0.2: 341.69,121.92 342.68,120.93 342.68,94.33 341.69,93.34 342.68,92.36 342.68,75.28 341.69,74.29 342.68,73.31 342.68,18.1 341.66,17.08 ; 341.69,121.92 340.91,121.92 v1(326.86,107.87) ; 341.69,121.92 342.68,122.91 342.68,134.71 341.69,135.7 341.69,140.97
  Bottom w0.2: U501.10 216.72,108.81 217.1,109.19 263.38,109.19 265.28,107.29 326.28,107.29 v1(326.86,107.87) ; SW3,16.1 340.91,121.92 ; 341.69,74.29 345.25,74.29 ; 341.66,17.08 SW7,16.1 ; SW4,16.1 341.69,93.34 ; 341.69,140.97 SW2,16.1
Col17: length 331.7
  Top w0.2: 365.47,93.28 366.43,92.33 366.43,75.19 365.47,74.23 366.43,73.28 366.43,56.14 365.47,55.18 366.43,54.23 366.43,37.09 365.47,36.13 365.47,29.24 375,19.72 375,17.08
  Bottom w0.2: U501.13 217.69,107.31 218.37,107.99 262.88,107.99 264.78,106.09 340.41,106.09 351.55,94.95 363.81,94.95 365.47,93.28 ; 365.47,55.18 SW5,17.1 ; SW2,17.1 422.62,93.28 422.62,86.4 422.06,85.84 372.92,85.84 365.47,93.28 ; 365.47,93.28 SW3,17.1 ; SW7,17.1 375,17.08 ; 365.47,74.23 SW4,17.1 ; 365.47,36.13 SW6,17.1
Col18: length 326.9
  Top w0.2: 403.57,17.08 384.52,36.13 385.48,37.09 385.48,54.23 384.52,55.18 385.48,56.14 385.48,73.28 384.52,74.23 385.48,75.19 385.48,92.33 384.52,93.28
  Bottom w0.2: 384.52,55.18 SW5,18.1 388.76,55.18 389.97,56.39 397.57,56.39 401.17,52.79 424.42,52.79 SW2,18.1 425.16,57.09 ; 403.57,17.08 SW7,18.1 ; 384.52,74.23 SW4,18.1 ; 384.52,36.13 SW6,18.1 ; U501.12 217.63,107.82 218.2,108.39 263.05,108.39 264.95,106.49 340.57,106.49 351.68,95.38 382.42,95.38 384.52,93.28 SW3,18.1
Col19: length 305.3
  Top w0.2: 425.16,18.99 425.16,19.77 413.47,31.46 408.3,31.46 404.97,34.79 404.92,34.79 403.57,36.13 404.53,37.09 404.53,54.23 403.57,55.18 404.53,56.14 404.53,73.28 403.57,74.23 404.53,75.19 404.53,92.33 403.57,93.28
  Bottom w0.2: SW4,19.1 403.57,74.23 ; SW3,19.1 403.57,93.28 401.08,95.78 351.89,95.78 340.78,106.89 265.11,106.89 263.21,108.79 218.04,108.79 217.56,108.32 U501.11 ; 403.57,55.18 SW5,19.1 ; 425.16,18.99 SW2,19.1 ; SW6,19.1 403.57,36.13
D+: length 83
  Bottom w0.2: U501.71 193.45,111.31 191.02,108.88 121.4,108.88 119.69,110.59 arc(119.6,110.8) 119.69,111.01 119.97,111.29 arc(120.06,111.51) 119.97,111.72 arc(119.76,111.81) 119.55,111.72 119.27,111.43 119.27,111.44 arc(119.05,111.35) 118.84,111.43 118.23,112.04 U701.4
D-: length 83
  Bottom w0.2: U701.6 116.33,112.89 120.75,108.48 191.18,108.48 193.52,110.82 U501.70
Dbus+: length 55.7
  Bottom w0.2: U701.3 118.23,147.96 113.53,152.67 J201.B6 113.53,168.17 113.26,168.44 112.79,168.44 112.52,168.17 J201.A6
Dbus-: length 58.1
  Bottom w0.2: U701.1 116.33,116.03 116.96,116.65 116.96,116.65 117.83,117.53 117.83,147.79 113.03,152.6 113.03,165.04 112.03,166.04 J201.B7 ; J201.A7 113.03,165.04
NRST: length 61.6
  Top w0.2: v1(218.79,107.25) 215.61,110.43 215.61,114.29 208.97,120.93 v1(208.97,137.85) 208.97,145.83 J202.10
  Bottom w0.2: R703.1 210.57,136.24 v1(208.97,137.85) 208.97,140.07 C711.1 ; U501.14 217.86,106.82 218.3,107.25 v1(218.79,107.25)
Row1: length 330.8
  Top w0.2: v1(103.47,144.49) 119.37,144.49 v1(121.67,146.79) ; v1(204.58,128.33) 204.38,128.13 v1(204.38,119.78)
  Bottom w0.2: D8.1 D15.1 D22.1 D28.1 103.43,144.52 v1(103.47,144.49) ; v1(204.58,128.33) 204.58,142.99 206.12,144.52 ; v1(204.38,119.78) 204.58,119.58 U501.90 ; v1(121.67,146.79) D34.1 140.7,144.54 D41.1 D47.1 D54.1 206.12,144.52 ; 206.12,144.52 D61.1 D68.1 D75.1 D82.1 287.6,144.52 290.67,147.59 290.67,162.19 291.67,163.19 D89.1 D95.1
Row2: length 555
  Top w0.2: v1(101.35,124.71) 104.62,127.99 v1(121.67,127.99) ; v1(282.57,125.47) 286.46,129.36 286.46,140.84 289.74,144.12 v1(290.93,144.12)
  Bottom w0.2: 429.51,79.12 429.51,94.91 428.14,96.29 351.95,96.29 351.33,96.91 351.33,138.74 345.92,144.14 D103.1 D96.1 D90.1 290.96,144.14 v1(290.93,144.12) ; 429.51,79.12 429.51,53.59 422.66,46.74 D120.1 ; 429.51,79.12 D114.1 ; v1(121.67,127.99) D35.1 D42.1 D48.1 D55.1 178.83,125.49 192.27,125.49 193.77,123.99 205.08,123.99 ; D2.1 30.86,125.48 D9.1 D16.1 D23.1 D29.1 100.58,125.47 v1(101.35,124.71) ; 205.08,123.99 205.08,123.98 U501.91 ; 205.08,123.99 210.35,123.99 D62.1 D69.1 D76.1 D83.1 v1(282.57,125.47)
Row3: length 432.4
  Top w0.2: v1(276.57,97.99) 276.57,99.09 281.7,104.23 281.7,114.39 290.47,123.16 v1(290.47,123.22)
  Top w0.25: D121.1 391,95.41 372.57,95.41 D115.1 372.56,95.41 353.04,95.41 D109.1 353.01,117.25 345.72,124.54 v1(345.72,124.6)
  Bottom w0.2: D3.1 21.24,96.49 D10.1 D17.1 D24.1 D30.1 D36.1 D43.1 D49.1 D56.1 D63.1 189.33,96.39 D70.1 ; D91.1 292.74,124.97 292.23,124.97 v1(290.47,123.22) ; D91.1 D97.1 D104.1 ; D91.1 292.86,124.97 ; U501.52 194.93,101.82 191.39,98.27 191.39,97.38 191.39,94.89 D70.1 ; D70.1 201.88,94.61 202.68,95.41 204.44,95.41 204.97,94.88 208.54,94.88 D77.1 219.56,93.45 221.52,95.41 227.5,95.41 228.88,94.03 239.4,94.03 242.46,97.1 260.71,97.1 262.4,98.79 274.79,98.79 275.59,97.99 v1(276.57,97.99)
  Bottom w0.25: D104.1 345.22,125.09 v1(345.72,124.6)
Row4: length 465.5
  Top w0.2: v1(180.8,76.31) 179.65,76.31 174.24,81.71 174.24,93.01 177.9,96.67 187.58,96.67 v1(188.34,97.43)
  Bottom w0.2: v1(188.34,97.43) 189.99,97.43 194.87,102.31 U501.53 ; 176.35,77.34 179.76,77.34 v1(180.8,76.31) ; D92.1 285.05,96.39 283.01,98.44 278.19,98.44 276.91,97.16 D85.1 265.36,98.39 262.57,98.39 258.67,94.49 258.67,87.63 248.38,77.34 235.44,77.34
  Bottom w0.25: 235.44,77.34 D78.1 D71.1 D64.1 D57.1 D50.1 D44.1 D37.1 D31.1 D25.1 D18.1 D11.1 D4.1 ; D92.1 D98.1 D105.1 346.73,96.39 351.03,92.1 351.03,81.03 354.71,77.34 D110.1 D116.1 D122.1
Row5: length 472.1
  Top w0.2: v1(188.21,98.42) 186.86,97.07 177.74,97.07 173.55,92.89 173.55,81.27 180.54,74.28 180.54,58.59 v1(180.84,58.29)
  Bottom w0.2: v1(188.21,98.42) 190.41,98.42 194.8,102.81 U501.54
  Bottom w0.25: D5.1 35.56,58.55 D12.1 D19.1 D26.1 74.17,58.04 D32.1 D38.1 D45.1 D51.1 168.91,58.04 D58.1 180.83,58.29 v1(180.84,58.29) 180.84,58.29 D65.1 D72.1 D79.1 233.81,58.29 240.54,65.02 D86.1 241.67,66.79 255.77,66.79 256.29,67.31 256.29,70.36 261.88,75.95 281.44,75.95 283.08,77.6 D93.1 D99.1 D106.1 345.84,77.6 348.15,75.29 348.15,64.86 354.71,58.29 D111.1 D117.1 D123.1
Row6: length 487.7
  Top w0.2: v1(187.86,104.67) 180.66,97.47 177.58,97.47 177.52,97.41 177.53,97.43 173.15,93.05 173.15,81.1 180.14,74.12 180.14,57.84 183.48,54.49 183.48,41.09 v1(181.63,39.24)
  Bottom w0.2: U501.63 194.88,107.31 193.02,105.45 188.64,105.45 v1(187.86,104.67)
  Bottom w0.25: 263.4,41.66 276.35,41.66 278.77,39.24 D100.1 312.17,38.99 D112.1 D118.1 D124.1 ; 263.4,41.66 261.71,43.35 D87.1 ; 263.4,41.66 247.14,41.66 ; D6.1 D13.1 D20.1 D27.1 D33.1 D39.1 D46.1 D52.1 D59.1 D66.1 v1(181.63,39.24) D73.1 244.73,39.24 247.14,41.66 ; 247.14,41.66 245.36,43.43 D80.1
Row7: length 509
  Top w0.2: v1(290.13,20.39) 289.93,20.19 277.45,20.19 v1(277.44,20.18) ; v1(199.25,95.35) 199.71,94.89 199.71,90.31 198.29,88.89 198.29,65.17 199.19,64.27 199.19,58.2 201.2,56.19 201.2,54.25 199.19,52.24 199.19,30.5 201.04,28.65 209.14,28.65 v1(210.04,27.75)
  Bottom w0.2: D60.1 213.23,20.19 ; D60.1 218.69,25.78 216.98,27.5 210.29,27.5 v1(210.04,27.75) ; D60.1 D67.1 245.75,20.19 ; D60.1 213.23,20.19 ; 213.23,20.19 D53.1 185.55,20.19 183.13,22.61 180.85,22.61 178.43,20.19 D40.1 122.15,21.49 80.67,21.49 79.11,19.94 D21.1 D14.1 28.19,20.19 D7.1 ; v1(290.13,20.39) 290.18,20.45 D94.1 D101.1 D107.1 353.69,20.45 ; U501.48 198.58,96.01 v1(199.25,95.35) ; 353.69,20.45 353.95,20.45 355.09,19.3 D113.1 ; 353.69,20.45 355.6,22.35 391.03,22.35 D119.1 ; 245.75,20.19 242.69,23.25 D88.1 ; 245.75,20.19 D74.1 277.42,20.19 v1(277.44,20.18)
SWCLK: length 46.8
  Top w0.2: v1(197.07,116.39) 198.4,117.72 198.4,153.15 201.6,156.36 202.98,156.36 J202.4
  Bottom w0.2: v1(197.07,116.39) 197.58,115.88 U501.76
SWDIO: length 56.4
  Top w0.2: v1(192.99,114.26) 193.95,114.26 198,118.31 198,153.31 201.44,156.76 202.81,156.76 203.11,157.05 203.11,158.9 J202.2
  Bottom w0.2: v1(192.99,114.26) 192.99,113.86 195.03,111.82 U501.72

## Copper pours and planes (outline as drawn; the poured copper is in the pictures)
3V3 on Bottom: 113.79,134.87 113.79,128.52 114.68,127.63 114.68,121.41 111.63,118.36 107.7,118.36 107.31,118.74 107.31,121.03 107.7,121.41 111.25,121.41 112.27,122.3 112.27,127.25 111.38,128.14 111.38,134.87 112.01,135.51 113.16,135.51
5V on Bottom: 112.01,149.73 112.01,148.46 109.98,146.43 109.98,141.65 109.02,140.69 109.02,132.2 108.92,132.1 107.29,132.1 107.14,132.21 107.14,135.79 107.44,136.09 107.44,149.73 108.2,150.49 111.25,150.49
GND on Top, Bottom: 120.22,166.98 432.18,167 432.18,0 0,0 0,167 105.79,167 105.79,166.55 120.22,166.55
VBUS on Top, Bottom: 115.52,164.26 114.52,164.26 114.52,166.16 110.92,166.16 110.92,164.26 109.92,164.26 109.92,167.66 115.52,167.66
VBUS on Bottom: 112.01,155.19 112.01,153.16 111.25,152.4 108.2,152.4 107.44,153.16 107.44,155.19 108.2,155.96 111.25,155.96
S on Bottom: 120.2,171.75 120.2,166.56 105.8,166.56 105.8,171.56 107.8,173.35 117.6,173.35
SW on Bottom: 107.98,128.27 108.58,127.51 111.25,127.51 111.63,127.13 111.63,124.84 111.25,124.46 107.7,124.46 107.31,124.84 107.31,126.11 106.81,126.62 103.88,126.61 103.89,128.27 107.26,128.27 107.26,130.81 107.98,130.81

## Text on the board
B.Silkscreen: The holy / GND trinity
User.Comments: ye water kettle, / brought to you by resistance
User.Drawings: NHD-3.5-320240FT-CSXN-T / Res. Touch EVE2 TFT Display / connected via 20x1.00mm FFC connector / (mounting holes modified)
F.Silkscreen: NHD-3.5-320240FT-CSXN-T
